# Altium PCB PMSM_Driver_V0.16.PcbDoc (part 1 of 2) (continued)
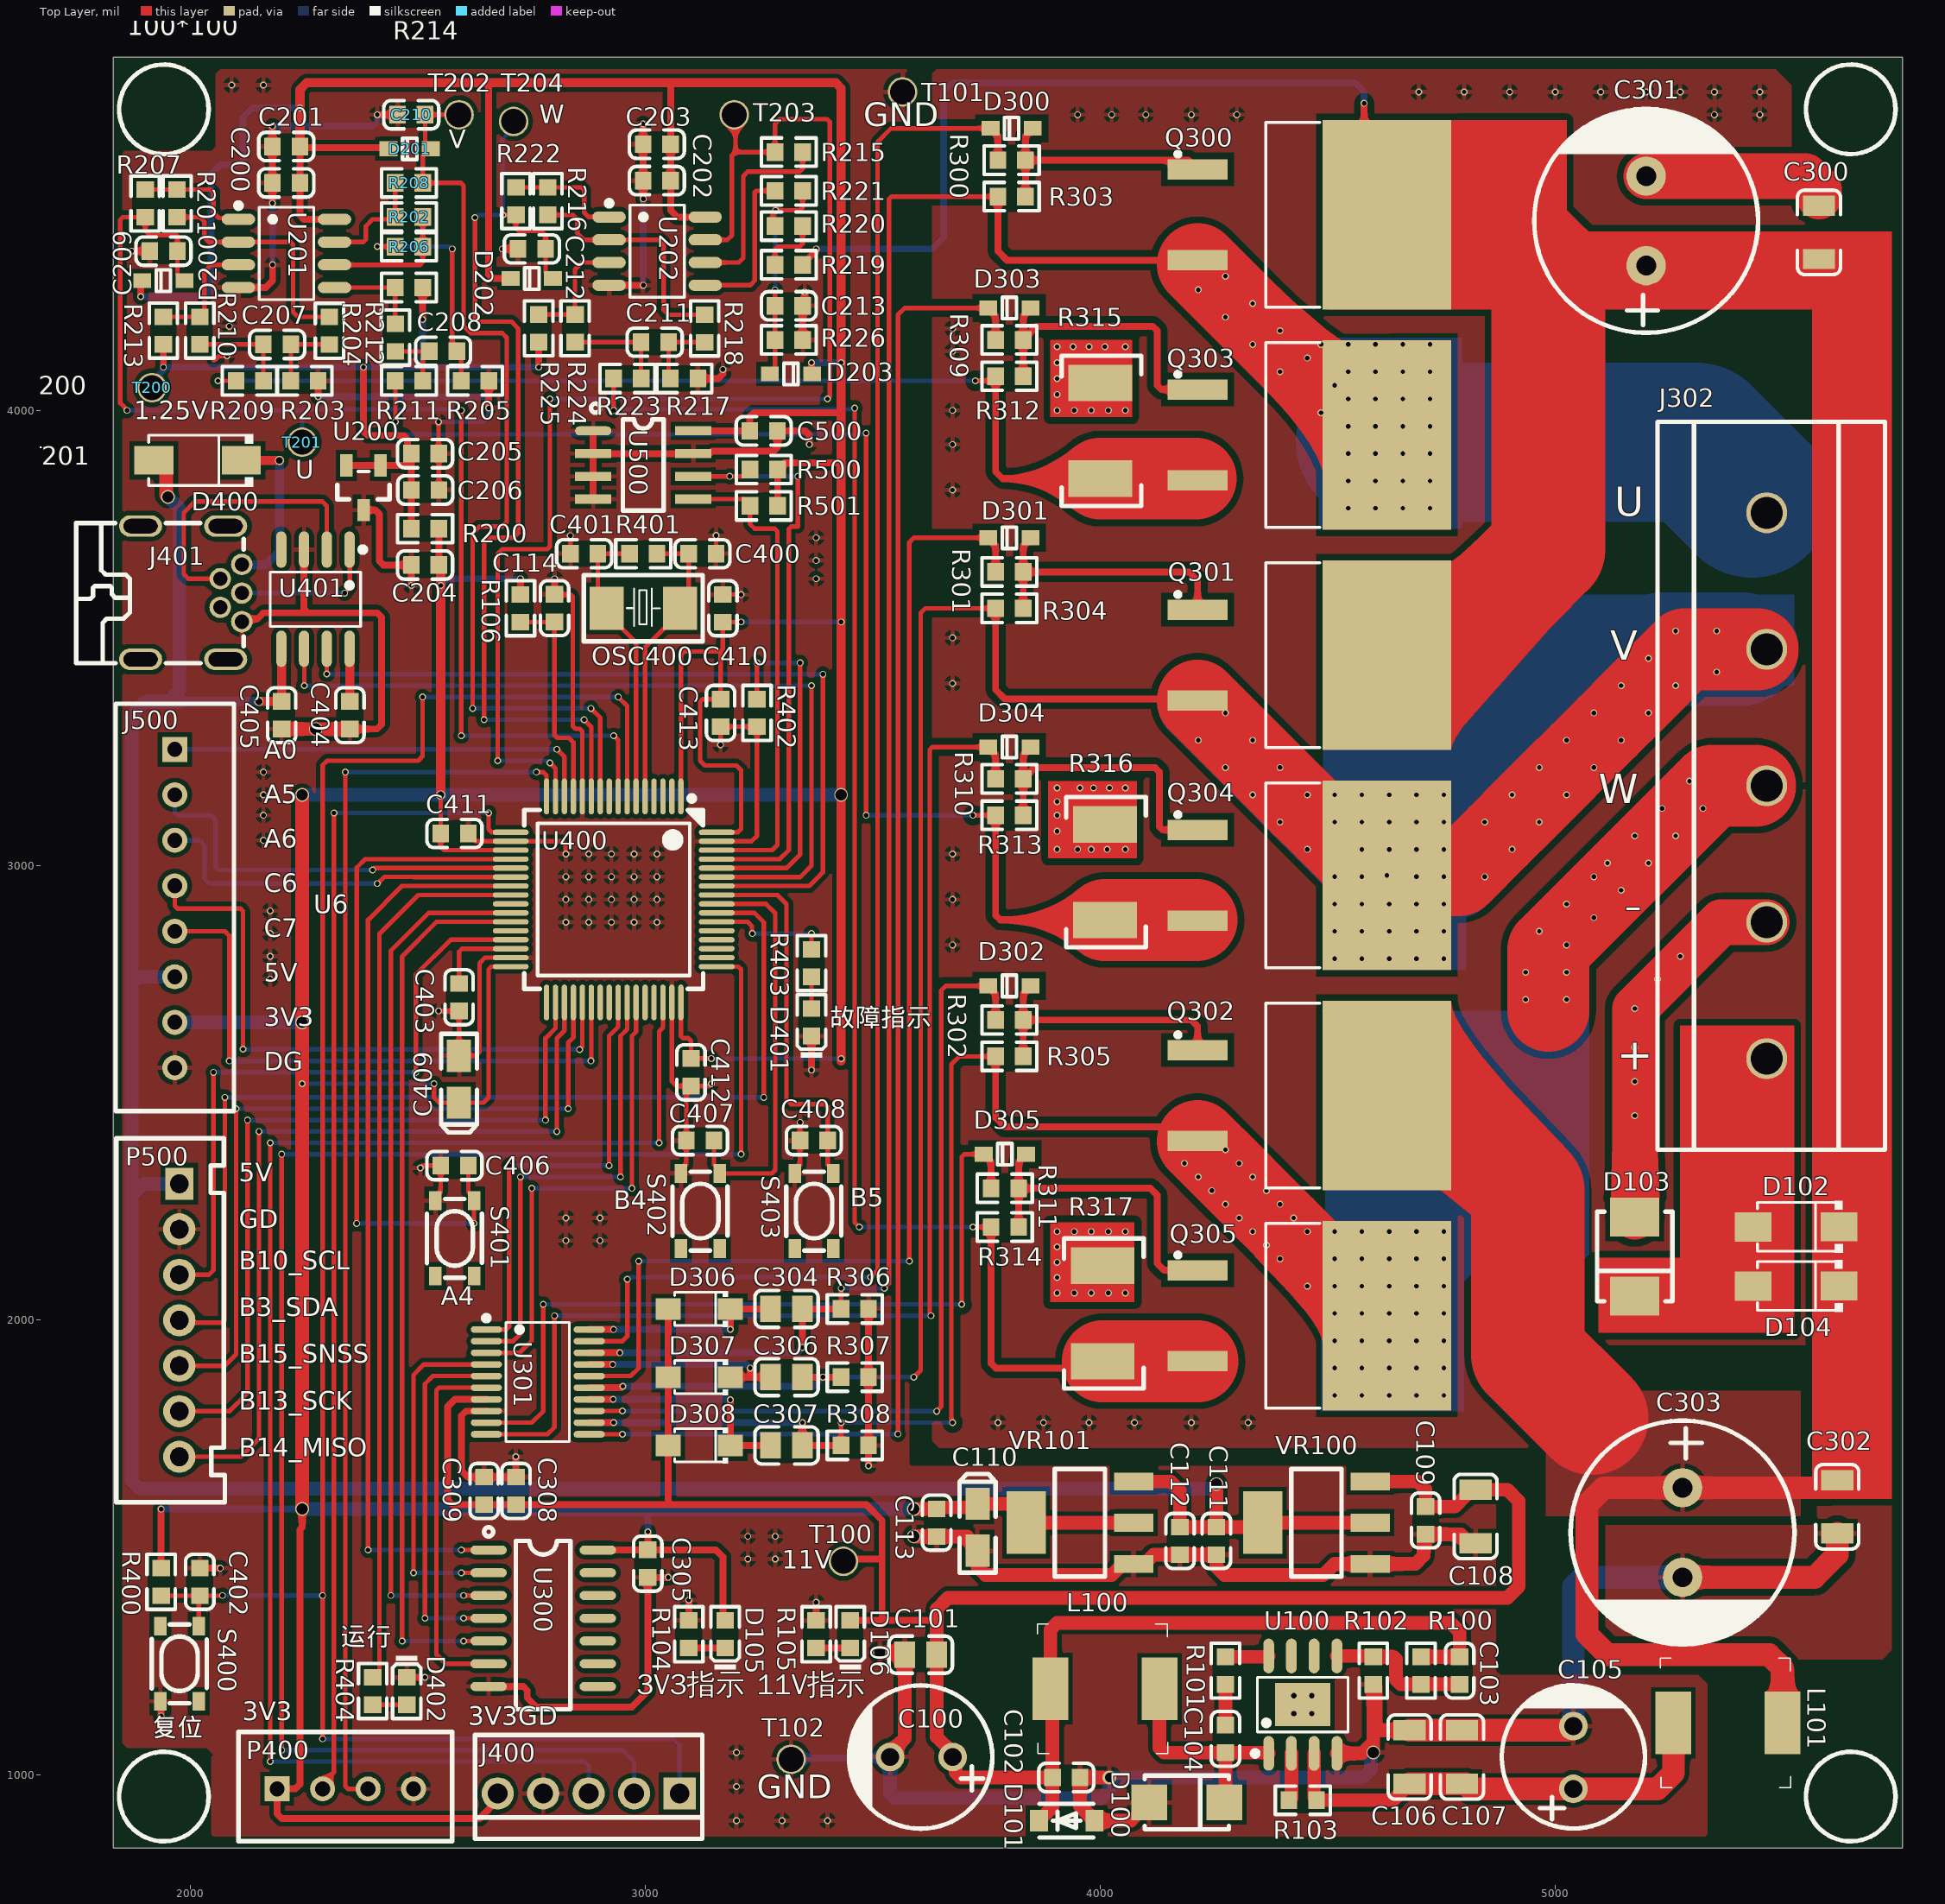
[diagram p0: Top Layer view]
## Components (designator, comment, footprint, x,y, rotation, side; value= is the part's Value field where it differs from the comment) (continued)
R207 "100Ω (1000) ±1%" LC-0603_R 1900,4455 r270 top
R208 "100Ω (1000) ±1%" LC-0603_R 2480,4500 r0 top
R209 "1KΩ (1001) ±1%" LC-0603_R 2130,4065 r0 top
R210 "1KΩ (1001) ±1%" LC-0603_R 2020,4175.31 r270 top
R211 "1KΩ (1001) ±1%" LC-0603_R 2480,4065 r0 top
R212 "1KΩ (1001) ±1%" LC-0603_R 2450,4160 r270 top
R213 "12KΩ (1202) ±1%" LC-0603_R 1940,4175.31 r90 top
R214 "12KΩ (1202) ±1%" LC-0603_R 2480,4270 r180 top
R215 "1KΩ (1001) ±1%" LC-0603_R 3315,4567.66 r180 top
R216 "12KΩ (1202) ±1%" LC-0603_R 2785,4460 r270 top
R217 "1KΩ (1001) ±1%" LC-0603_R 3085,4070 r180 top
R218 "1KΩ (1001) ±1%" LC-0603_R 3130,4180 r270 top
R219 "12KΩ (1202) ±1%" LC-0603_R 3315,4320 r180 top
R220 "12KΩ (1202) ±1%" LC-0603_R 3315,4405 r180 top
R221 "1KΩ (1001) ±1%" LC-0603_R 3315,4482.66 r0 top
R222 "100Ω (1000) ±1%" LC-0603_R 2715,4460 r270 top
R223 "1KΩ (1001) ±1%" LC-0603_R 2960,4070 r0 top
R224 "1KΩ (1001) ±1%" LC-0603_R 2845,4180.31 r270 top
R225 "12KΩ (1202) ±1%" LC-0603_R 2765,4180.31 r90 top
R226 "1KΩ (1001) ±1%" LC-0603_R 3315,4155 r180 top
R300 "22Ω (22R0) ±1%" LC-0603_R 3805,4550 r0 top
R301 "22Ω (22R0) ±1%" LC-0603_R 3800,3645 r0 top
R302 "22Ω (22R0) ±1%" LC-0603_R 3800,2660 r0 top
R303 "51KΩ (5102) ±1%" LC-0603_R 3805,4470 r0 top
R304 "51KΩ (5102) ±1%" LC-0603_R 3800,3565 r0 top
R305 "51KΩ (5102) ±1%" LC-0603_R 3800,2580 r0 top
R306 "20KΩ (2002) ±1%" LC-0603_R 3460,2025 r180 top
R307 "20KΩ (2002) ±1%" LC-0603_R 3460,1875 r180 top
R308 "20KΩ (2002) ±1%" LC-0603_R 3460,1725 r180 top
R309 "22Ω (22R0) ±1%" LC-0603_R 3800,4155 r0 top
R310 "22Ω (22R0) ±1%" LC-0603_R 3800,3190 r0 top
R311 "22Ω (22R0) ±1%" LC-0603_R 3790,2290 r0 top
R312 "51KΩ (5102) ±1%" LC-0603_R 3800,4075 r0 top
R313 "51KΩ (5102) ±1%" LC-0603_R 3800,3110 r0 top
R314 "51KΩ (5102) ±1%" LC-0603_R 3790,2205 r0 top
R315 "R02  0.02Ohm 1% 2512" R2512 3960,3930 r270 top
R316 "R02  0.02Ohm 1% 2512" R2512 3970,2960 r270 top
R317 "R02  0.02Ohm 1% 2512" R2512 3965,1990 r270 top
R400 "10KΩ (1002) ±1%" LC-0603_R 1935,1425 r90 top
R401 "1MΩ (1004) ±1%" LC-0603_R 2995,3685 r180 top
R402 "10KΩ (1002) ±1%" LC-0603_R 3245,3335 r270 top
R403 "10KΩ (1002) ±1%" LC-0603_R 3365,2785 r270 top
R404 "10KΩ (1002) ±1%" LC-0603_R 2400,1185 r270 top
R500 "10KΩ (1002) ±1%" LC-0603_R 3260,3870 r0 top
R501 "10KΩ (1002) ±1%" LC-0603_R 3260,3790 r0 top
S400 "KEY" KEY_WHITE 1975,1245 r270 top
S401 "KEY" KEY_WHITE 2580,2180 r270 top
S402 "KEY" KEY_WHITE 3120,2240 r270 top
S403 "KEY" KEY_WHITE 3370,2240 r270 top
T100 "Test" Testpoint 3435,1470 r90 top
T101 "Test" Testpoint 3565,4700 r90 top
T102 "Test" Testpoint 3320,1035 r90 top
T200 "Test" Testpoint 1915,4050 r90 top
T201 "Test" Testpoint 2245,3930 r90 top
T202 "Test" Testpoint 2590,4650 r90 top
T203 "Test" Testpoint 3195,4650 r90 top
T204 "Test" Testpoint 2710,4635 r90 top
U100 "TX4139" ESOP8 4370,1047.89 r0 top
U200 "ME432AXG" LC-SOT-23(SOT-23-3) 2380,3830 r90 top
U201 "LMV358" TP2412-SR 2105,4420 r270 top
U202 "LMV358" TP2412-SR 2920,4425 r270 top
U300 "74HC74" SOIC-14 2655,1495 r0 top
U301 "EG2133" TSSOP20 2725.39,1912.36 r270 top
U400 "STM32F401RET6" STM32F401RET6 2925,2930 r180 top
U401 "CH340N" CH340N 2270,3585 r180 top
U500 "AT24C256" SOIC8 2890,3955 r0 top
VR100 "AMS1117-5.0" LC-SOT-223 4475,1555 r0 top
VR101 "AMS1117-3.3" LC-SOT-223 3955,1555 r0 top

## Footprints (in the part's own frame and the unit in brackets; to place one, negate y for a bottom-side part, rotate by r counter-clockwise, add the part's x,y. Pads: shape width x height; smd on the part's side, far side on the other; paste and mask are expansions set on the pad)
2.54_4P_PIN [mil]
  rect 55x55 hole 33: 1(0,0)
  round 55 hole 33: 2(100,0) 3(200,0) 4(300,0)
  silkscreen extent -85,-115 385,125
2.54_8P_PHI [mil]
  rect 55x55 hole 33: 1(0,0)
  round 55 hole 33: 2(100,0) 3(200,0) 4(300,0) 5(400,0) 6(500,0) 7(600,0) 8(700,0)
  silkscreen extent -100,-130 795,130
"7.62-5P 端子" [mil]
  round 90 hole 70: 1(0,0) 2(300,0) 3(600,0) 4(900,0) 5(1200,0)
  silkscreen extent -200,-240 1400,260
8MHZ-5032 [mm]
  rect 1.9x2.4 smd: 1(-2.05,0) 2(2.05,0)
  silkscreen extent -3.32,-1.85 3.32,1.85
47UF/100V [mm]
  round 1.6 hole 1: 1(-1.788,-0.001) 2(1.712,-0.001)
  silkscreen extent -4,-4 4,4
220UF/100V [mm] "13*21"
  round 2.2 hole 1.1: 1(0,0) 2(5,0)
  silkscreen extent -3.75,-6.25 8.75,6.25
0650_47uH [mm]
  rect 2x3.5 smd: 1(-3.302,0) 2(2.794,0)
  silkscreen extent -3.76,-3.62 3.52,3.62
CH340N [mil]
  oval 22.6x80.14 smd: 1(-79.2,-108.97) 2(-29.2,-108.97) 3(20.8,-108.97) 4(70.8,-108.97) 5(70.8,108.97) 6(20.8,108.97) 7(-29.2,108.97) 8(-79.2,108.97)
  silkscreen extent -114,-115 95,60
DSK110 [mm] "SOD-123"
  rect 1.4x1.2 smd: 1(0,0) 2(3.47,0)
  silkscreen extent 0.13,-1 3.11,1
ESOP8 [mm]
  oval 0.602x1.941 smd: 1(0,0) 2(1.27,0) 3(2.54,0) 4(3.81,0) 5(3.81,5.441) 6(2.54,5.441) 7(1.27,5.441) 8(0,5.441)
  rect 3.098x2.41 smd: 9(1.905,2.72)
  silkscreen extent -0.9,-0.15 4.43,4.24
KEY_WHITE [mm]
  rect 1.05x0.7 smd: 1(-2.1,1.088) 2(2.1,1.088) 3(-2.1,-1.062) 4(2.1,-1.062)
  silkscreen extent -2.2,-1.54 2.2,1.54
KF2510-5A [mm]
  round 1.8 hole 1.1: 1(4.953,0.36) 2(2.413,0.36) 3(-0.127,0.36) 4(-2.667,0.36)
  rect 1.8x1.8 hole 1.1: 5(-5.207,0.36)
  silkscreen extent -6.48,-2.9 6.22,2.9
LC-0603_C [mm]
  rect 0.93x0.98 smd: 1(-0.77,0) 2(0.77,0)
  silkscreen extent -1.53,-0.79 1.54,0.79, body extent -0.8,-0.4 0.8,0.4, height 0.3
LC-0603_LED_S1 [mm]
  rect 0.93x0.98 smd: A(0.77,0) K(-0.77,0)
  silkscreen extent -1.98,-0.79 1.54,0.79, body extent -0.8,-0.4 0.8,0.4, height 0.6
LC-0603_R [mm]
  rect 0.93x0.98 smd: 1(-0.77,0) 2(0.77,0)
  silkscreen extent -1.53,-0.79 1.54,0.79, body extent -0.85,-0.4 0.85,0.4, height 0.56
LC-0805_C [mm]
  rect 1.16x1.47 smd: 1(-0.89,0) 2(0.89,0)
  silkscreen extent -1.77,-1.04 1.77,1.04, body extent -1,-0.62 1,0.63, height 0.77
LC-1206_C [mm]
  rect 1.13x1.8 smd: 1(-1.49,0) 2(1.49,0)
  silkscreen extent -2.36,-1.2 2.35,1.2, body extent -1.6,-0.81 1.6,0.79, height 1
LC-CASE-A_3216 [mm]
  rect 1.8x1.35 smd: 1(1.31,0) 2(-1.31,0)
  silkscreen extent -2.54,-1 2.97,1, body extent -1.7,-0.84 1.7,0.84, height 1.71
LC-SMA(DO-214AC)_S1 [mm]
  rect 2x2 smd: 1(2.1,0) 2(-2.1,0)
  silkscreen extent -2.35,-1.5 2.35,1.5
LC-SMB(DO-214AA)_S1 [mil]
  rect 85x107.99 smd: 1(87.01,0) 2(-87.01,0)
  silkscreen extent -98,-83 98,83
LC-SOD-323 [mm]
  rect 1x0.83 smd: 1(1.18,0) 2(-1.18,0)
  silkscreen extent -0.4,-0.6 0.4,0.6, body extent -1.35,-0.62 1.35,0.63, height 1.1
LC-SOT-23(SOT-23-3) [mm]
  rect 1.25x0.7 smd: 1(1.25,-0.95) 2(1.25,0.95) 3(-1.25,0)
  silkscreen extent -0.65,-1.46 0.9,1.46, body extent -1.5,-1.5 1.5,1.5, height 1.3
LC-SOT-223 [mm]
  rect 2.2x1 smd: 1(3,-2.3) 2(3,0) 3(3,2.3)
  rect 2.2x3.5 smd: 2(-3,0)
  silkscreen extent -1.4,-3 1.4,3, body extent -3.49,-3.24 3.49,3.24, height 1.64
R2512 [mil]
  rect 80x140 smd: 1(-130,40) 2(80,40)
  silkscreen extent -190,-45 140,130
"SMF12A - duplicate" [mm] "SOD123F"
  rect 1x1.2 smd: 1(0,0) 2(3.1,0)
  silkscreen extent 0.03,-0.93 3.04,0.95
SOIC8 [mil]
  oval 80x20 smd: 1(-5,0)
  rect 80x20 smd: 2(-5,-50) 3(-5,-100) 4(-5,-150) 5(215,-150) 6(215,-100) 7(215,-50) 8(215,0)
  silkscreen extent -10,-175 150,60
SOIC-14 [mil] "74HCXXX"
  oval 80x20 smd: 1(0,0) 2(0,-50) 3(0,-100) 4(0,-150) 5(0,-200) 6(0,-250) 7(0,-300) 8(240,-300) 9(240,-250) 10(240,-200) 11(240,-150) 12(240,-100) 13(240,-50) 14(240,0)
  silkscreen extent -10,-350 180,50
SS54 [mm]
  rect 2.185x1.593 smd: 1(-2.442,0) 2(2.442,0)
  silkscreen extent -3.11,-1.48 2.73,1.48
SS510 [mm]
  rect 2.046x1.62 smd: 1(0,0) 2(4.808,0.019)
  silkscreen extent -0.21,-1.43 4.57,1.45
STM32F401RET6 [mm]
  oval 0.3x2 smd: 1(-3.877,-5.623) 2(-3.377,-5.623) 3(-2.877,-5.623) 4(-2.377,-5.623) 5(-1.877,-5.623) 6(-1.377,-5.623) 7(-0.877,-5.623) 8(-0.377,-5.623) 9(0.123,-5.623) 10(0.623,-5.623) 11(1.123,-5.623) 12(1.623,-5.623) 13(2.123,-5.623) 14(2.623,-5.623) 15(3.123,-5.623) 16(3.623,-5.623) 33(3.623,5.877) 34(3.123,5.877) 35(2.623,5.877) 36(2.123,5.877) 37(1.623,5.877) 38(1.123,5.877) 39(0.623,5.877) 40(0.123,5.877) 41(-0.377,5.877) 42(-0.877,5.877) 43(-1.377,5.877) 44(-1.877,5.877) 45(-2.377,5.877) 46(-2.877,5.877) 47(-3.377,5.877) 48(-3.877,5.877)
  oval 2x0.3 smd: 17(5.623,-3.623) 18(5.623,-3.123) 19(5.623,-2.623) 20(5.623,-2.123) 21(5.623,-1.623) 22(5.623,-1.123) 23(5.623,-0.623) 24(5.623,-0.123) 25(5.623,0.377) 26(5.623,0.877) 27(5.623,1.377) 28(5.623,1.877) 29(5.623,2.377) 30(5.623,2.877) 31(5.623,3.377) 32(5.623,3.877) 49(-5.877,3.877) 50(-5.877,3.377) 51(-5.877,2.877) 52(-5.877,2.377) 53(-5.877,1.877) 54(-5.877,1.377) 55(-5.877,0.877) 56(-5.877,0.377) 57(-5.877,-0.123) 58(-5.877,-0.623) 59(-5.877,-1.123) 60(-5.877,-1.623) 61(-5.877,-2.123) 62(-5.877,-2.623) 63(-5.877,-3.123) 64(-5.877,-3.623)
  silkscreen extent -5.13,-5.66 4.87,5.13
Testpoint [mil]
  round 65 hole 55: 1(0,0)
TO-263-2 [mil]
  rect 132.23x44.65 smd: 1(-108.89,93) 3(-108.89,-107)
  rect 282.7x416 smd: 4(307.32,-7)
  silkscreen extent -157,-210 160,196
TP2412-SR [mm]
  oval 0.63x1.865 smd: 1(0,0) 2(1.27,0) 3(2.54,0) 4(3.81,0) 5(3.81,5.365) 6(2.54,5.365) 7(1.27,5.365) 8(0,5.365)
  silkscreen extent -0.92,-0.15 4.48,4.2
TSSOP20 [mil]
  oval 14.33x68.58 smd: 1(-67.36,-75.39) 2(-41.77,-75.39) 3(-16.18,-75.39) 4(9.41,-75.39) 5(35,-75.39) 6(60.59,-75.39) 7(86.18,-75.39) 8(111.77,-75.39) 9(137.36,-75.39) 10(162.95,-75.39) 11(162.95,150.67) 12(137.36,150.67) 13(111.77,150.67) 14(86.18,150.67) 15(60.59,150.67) 16(35,150.67) 17(9.41,150.67) 18(-16.18,150.67) 19(-41.77,150.67) 20(-67.36,150.67)
  silkscreen extent -98,-81 179,107
USB_MINI [mm]
  oval 1.2x2.4 hole 0.8 slot 1.9 at 90 deg: 0(22.291,-6.991) 0(22.291,-2.241) 0(29.731,-6.991) 0(29.731,-2.241)
  round 1.2 hole 0.8: 1(24.431,-1.339) 2(25.231,-2.543) 3(26.031,-1.339) 4(26.831,-2.543) 5(27.631,-1.339)
  silkscreen extent 22.12,-10.59 29.94,-1.24
XH2.54-7P [mm]
  rect 1.8x1.575 hole 1 slot 1.05 at 0 deg: 1(0,0)
  round 1.8 hole 1 slot 1.05 at 0 deg: 2(2.54,0) 3(5.08,0) 4(7.62,0) 5(10.16,0) 6(12.7,0) 7(15.24,0)
  silkscreen extent -2.54,-3.52 17.78,2.54

## Part data
C100 C105 C301 C303: library part CapSMT220u_16V, =220uF/16V
C101: library part "0805 22uF (226) 20% 25V", "贴片电容", Package=0805, SuppliersPartNumber=C45783, ComponentLink1Description=供应商链接, ComponentLink1URL=http://www.szlcsc.com/product/details_46786.html, Supplier=LC
C102 C104 C109 C111 C112 C113 C114 C201 C202 C206 C305 C309 C402 C404 C405 C406 C407 C408 C410 C411 C412 C413 C500: library part "0603 100nF (104) 10% 50V", "贴片电容", Package=0603, SuppliersPartNumber=C14663, ComponentLink1Description=供应商链接, ComponentLink1URL=http://www.szlcsc.com/product/details_15331.html, Supplier=LC
C103: library part "0603 47pF (470) 5% 50V", "贴片电容", Package=0603, SuppliersPartNumber=C1671, ComponentLink1Description=供应商链接, ComponentLink1URL=http://www.szlcsc.com/product/details_2023.html, Supplier=LC
C106 C300 C302: library part "1206 2.2uF (225) 10% 50V", "贴片电容", Package=1206, SuppliersPartNumber=C12656, ComponentLink1Description=供应商链接, ComponentLink1URL=http://www.szlcsc.com/product/details_13292.html, Supplier=LC
C107: library part "1206 100nF (104) 10% 50V", "贴片电容", Package=1206, SuppliersPartNumber=C24497, ComponentLink1Description=供应商链接, ComponentLink1URL=http://www.szlcsc.com/product/details_25237.html, Supplier=LC
C108: library part "1206 10uF (106) 10% 50V", "贴片电容", Package=1206, SuppliersPartNumber=C13585, ComponentLink1Description=供应商链接, ComponentLink1URL=http://www.szlcsc.com/product/details_14236.html, Supplier=LC
C110 C409: library part "3216 10uF (106) 10% 16V", "钽电容", Package=3216, SuppliersPartNumber=C7171, ComponentLink1Description=供应商链接, ComponentLink1URL=http://www.szlcsc.com/product/details_7643.html, Supplier=LC
C200 C203 C204 C205: library part "0603 10uF (106) 10% 10V", "贴片电容", Package=0603, SuppliersPartNumber=C19702, ComponentLink1Description=供应商链接, ComponentLink1URL=http://www.szlcsc.com/product/details_20411.html, Supplier=LC
C207 C208 C211: library part "0603 100pF (101) 5% 50V", "贴片电容", Package=0603, SuppliersPartNumber=C14858, ComponentLink1Description=供应商链接, ComponentLink1URL=http://www.szlcsc.com/product/details_15530.html, Supplier=LC
C209 C210 C212: library part "0603 1nF (102) 10% 50V", "贴片电容", Package=0603, SuppliersPartNumber=C1588, ComponentLink1Description=供应商链接, ComponentLink1URL=http://www.szlcsc.com/product/details_1940.html, Supplier=LC
C213 C403: library part "0603 2.2uF (225) 10% 16V", "贴片电容", Package=0603, SuppliersPartNumber=C23630, ComponentLink1Description=供应商链接, ComponentLink1URL=http://www.szlcsc.com/product/details_24366.html, Supplier=LC
C304 C306 C307: library part "0805 4.7uF (475) 10% 25V", "贴片电容", Package=0805, SuppliersPartNumber=C1779, ComponentLink1Description=供应商链接, ComponentLink1URL=http://www.szlcsc.com/product/details_2131.html, Supplier=LC
C308: library part "0603 4.7uF (475) 10% 16V", "贴片电容", Package=0603, SuppliersPartNumber=C19666, ComponentLink1Description=供应商链接, ComponentLink1URL=http://www.szlcsc.com/product/details_20375.html, Supplier=LC
C400 C401: library part "0603 22pF (220) 5% 50V", "贴片电容", Package=0603, SuppliersPartNumber=C1653, ComponentLink1Description=供应商链接, ComponentLink1URL=http://www.szlcsc.com/product/details_2005.html, Supplier=LC
D100 D306 D307 D308 D400: library part "SMA(DO-214AC) SS54", "二极管", Package=SMA(DO-214AC), SuppliersPartNumber=C22452, ComponentLink1Description=供应商链接, ComponentLink1URL=http://www.szlcsc.com/product/details_23178.html, Supplier=LC
D103: library part "SMB/DO-214AA P6SMB6.8CA", "TVS", Package=SMB/DO-214AA, SuppliersPartNumber=C78395, ComponentLink1Description=供应商链接, ComponentLink1URL=http://www.szlcsc.com/product/details_79530.html, Supplier=LC
D105 D106 D402: library part "0603 绿灯", "发光二极管", Package=0603, SuppliersPartNumber=C72043, ComponentLink1Description=供应商链接, ComponentLink1URL=http://www.szlcsc.com/product/details_73152.html, Supplier=LC
D200 D201 D202 D203 D300 D301 D302 D303 D304 D305: library part "SOD-323 1N4148WS T4", "二极管", Package=SOD-323, SuppliersPartNumber=C2128, ComponentLink1Description=供应商链接, ComponentLink1URL=http://www.szlcsc.com/product/details_2485.html, Supplier=LC
D401: library part "0603 红灯", "发光二极管", Package=0603, SuppliersPartNumber=C2286, ComponentLink1Description=供应商链接, ComponentLink1URL=http://www.szlcsc.com/product/details_2659.html, Supplier=LC
L100 L101: library part Inductor
P400: "Header, 4-Pin", LatestRevisionDate=17-Jul-2002, LatestRevisionNote="Re-released for DXP Platform.", Publisher="Altium Limited"
P500: "Header, 7-Pin", LatestRevisionDate=17-Jul-2002, LatestRevisionNote="Re-released for DXP Platform.", Publisher="Altium Limited"
R100: library part "0603 330KΩ (3303) 1%", "贴片电阻", Package=0603, SuppliersPartNumber=C23137, ComponentLink1Description=供应商链接, ComponentLink1URL=http://www.szlcsc.com/product/details_23864.html, Supplier=LC
R101 R300 R301 R302 R309 R310 R311: library part "0603 22Ω (22R0) 1%", "贴片电阻", Package=0603, SuppliersPartNumber=C23345, ComponentLink1Description=供应商链接, ComponentLink1URL=http://www.szlcsc.com/product/details_24078.html, Supplier=LC
R102: library part "0603 15KΩ (1502) 1%", "贴片电阻", Package=0603, SuppliersPartNumber=C22809, ComponentLink1Description=供应商链接, ComponentLink1URL=http://www.szlcsc.com/product/details_23536.html, Supplier=LC
R103: library part "0603 100KΩ (1003) 1%", "贴片电阻", Package=0603, SuppliersPartNumber=C25803, ComponentLink1Description=供应商链接, ComponentLink1URL=http://www.szlcsc.com/product/details_26546.html, Supplier=LC
R104 R105 R400 R402 R403 R404 R500 R501: library part "0603 10KΩ (1002) 1%", "贴片电阻", Package=0603, SuppliersPartNumber=C25804, ComponentLink1Description=供应商链接, ComponentLink1URL=http://www.szlcsc.com/product/details_26547.html, Supplier=LC
R106: library part "0603 0Ω (0R0) 1%", "贴片电阻", Package=0603, SuppliersPartNumber=C21189, ComponentLink1Description=供应商链接, ComponentLink1URL=http://www.szlcsc.com/product/details_21903.html, Supplier=LC
R200: library part "0603 220Ω (2200) 1%", "贴片电阻", Package=0603, SuppliersPartNumber=C22962, ComponentLink1Description=供应商链接, ComponentLink1URL=http://www.szlcsc.com/product/details_23689.html, Supplier=LC
R201 R202 R213 R214 R216 R219 R220 R225: library part "0603 12KΩ (1202) 1%", "贴片电阻", Package=0603, SuppliersPartNumber=C22790, ComponentLink1Description=供应商链接, ComponentLink1URL=http://www.szlcsc.com/product/details_23517.html, Supplier=LC
R203 R204 R205 R206 R209 R210 R211 R212 R215 R217 R218 R221 R223 R224 R226: library part "0603 1KΩ (1001) 1%", "贴片电阻", Package=0603, SuppliersPartNumber=C21190, ComponentLink1Description=供应商链接, ComponentLink1URL=http://www.szlcsc.com/product/details_21904.html, Supplier=LC
R207 R208 R222: library part "0603 100Ω (1000) 1%", "贴片电阻", Package=0603, SuppliersPartNumber=C22775, ComponentLink1Description=供应商链接, ComponentLink1URL=http://www.szlcsc.com/product/details_23502.html, Supplier=LC
R303 R304 R305 R312 R313 R314: library part "0603 51KΩ (5102) 1%", "贴片电阻", Package=0603, SuppliersPartNumber=C23196, ComponentLink1Description=供应商链接, ComponentLink1URL=http://www.szlcsc.com/product/details_23923.html, Supplier=LC
R306 R307 R308: library part "0603 20KΩ (2002) 1%", "贴片电阻", Package=0603, SuppliersPartNumber=C4184, ComponentLink1Description=供应商链接, ComponentLink1URL=http://www.szlcsc.com/product/details_4591.html, Supplier=LC
R315 R316 R317: library part Res10K
R401: library part "0603 1MΩ (1004) 1%", "贴片电阻", Package=0603, SuppliersPartNumber=C22935, ComponentLink1Description=供应商链接, ComponentLink1URL=http://www.szlcsc.com/product/details_23662.html, Supplier=LC
S400 S401 S402 S403: "白色方块"
T100 T101 T102 T200 T201 T202 T203 T204: library part TestPad
U200: library part "CJ431 0.5%431", "电压基准", Package=SOT-23, SuppliersPartNumber=C3113, ComponentLink1Description=供应商链接, ComponentLink1URL=http://www.szlcsc.com/product/details_3500.html, Supplier=LC
U201 U202: library part LM358DR2G, "通用运放", Package=SOIC-8, SuppliersPartNumber=C7950, ComponentLink1Description=供应商链接, ComponentLink1URL=http://www.szlcsc.com/product/details_8427.html, Supplier=LC
U300: library part 74HC14
VR100: library part "SOT-223 AMS1117-5.0", "低压差线性稳压(LDO)", Package=SOT-223, SuppliersPartNumber=C6187, ComponentLink1Description=供应商链接, ComponentLink1URL=http://www.szlcsc.com/product/details_6653.html, Supplier=LC
VR101: library part "SOT-223 AMS1117-3.3", "低压差线性稳压(LDO)", Package=SOT-223, SuppliersPartNumber=C6186, ComponentLink1Description=供应商链接, ComponentLink1URL=http://www.szlcsc.com/product/details_6652.html, Supplier=LC

## Via types
v1: diameter 15, hole 10, Top Layer to Bottom Layer, 465 vias
v2: diameter 30, hole 25, Top Layer to Bottom Layer, 11 vias
v3: diameter 24, hole 12, Top Layer to Bottom Layer, 4 vias
v4: diameter 20, hole 15, Top Layer to Bottom Layer, 3 vias
v5: diameter 30, hole 20, Top Layer to Bottom Layer, 1 vias

## Nets (pads, with @x,y where several pads share a name; then routed paths per layer and width w, separated by ;. In a path a pad name is that pad's centre, name@x,y a point inside that pad or via, vN(x,y) a via of type N, cw(c..) or ccw(c..) an arc to the next point about the centre after c; other vN are vias at no path point)
3V3DD: C110.1 C113.2 C200.2 C201.2 C202.2 C203.2 C204.2 C305.2 C409.1 C410.2 C411.2 C412.2 C413.2 C500.2 D105.A D200.2 D201.2 D202.2 D203.2 J400.1 J500.7 P400.1 R106.1 R200.1 R400.2 R500.2 R501.2 U201.8 U202.8 U300.14 U400.1 U400.19 U400.32 U400.48 U400.64 U500.8 VR101.2 | length 16876.5
  Top Layer w10: v1(2535,2520) 2535,2490 2546.57,2478.43 C409.1@2590,2478.43 2643.43,2478.43 2655,2490 2655,2771.16 2660.86,2777.01 2703.28,2777.01 U400.32@2703.63,2777.36 ; v4(2549.68,3154.68) C411.2@2549.68,3070 2549.68,3040.32 2556.73,3033.27 U400.19@2703.63,3033.27 ; U400.48@3077.64,2698.63 3077.64,2625 3082.64,2620 3094.14,2620 3100,2614.14 C412.2@3100,2575.32 v1(3144.68,2575.32) v1@3145,2575 ; U400.1@3077.64,3151.37 3077.64,3462.64 3085,3470 3164.14,3470 ; U400.64@3156.37,3072.64 3156.72,3072.99 3202.99,3072.99 3210,3080 3210,3210 3209.46,3210 3200,3219.46 3130.54,3219.46 3120,3230 3120,3359.46 3125.86,3365.32 C413.2@3165,3365.32 3165,3469.14 3164.14,3470 ; v1(3210,3535) 3209.68,3534.68 C410.2@3170,3534.68 3170,3475.86 3164.14,3470
  Top Layer w15: v1(1890,4250) 1890,4281.46 D200.2@1893.54,4285 ; R400.2@1935,1455.32 v1(1935,1585) ; v2(2245,1585) 2245,1545 2240,1540 2240,980 2230,970 P400.1@2190,970 2190,915 2200,905 2635,905 2675,945 J400.1@2675,960 ; U201.8@2316.22,4420 2248.79,4420 2240,4428.79 2240,4514.69 2240.32,4515 C201.2@2240.32,4580 2242.82,4577.5 2432.5,4577.5 D201.2@2435,4575 ; C204.2@2545.63,3660 R200.1@2545.63,3740 ; 2655,4720 2655,4298.79 2663.79,4290 D202.2@2703.54,4290 ; R106.1@2725,3595.31 v1(2725,3630) ; U300.14@2895,1495 2895.16,1495.16 3004.84,1495.16 C305.2@3005,1495.32 ; v1(3005,1535) C305.2@3005,1495.32 ; 3055,4720 3055.32,4719.69 C203.2@3055.32,4585 C202.2@3055.32,4505 3055.32,4439.68 3065.01,4429.99 3070,4425 U202.8@3131.22,4425 ; U500.8@3105,3955 C500.2@3229.37,3955 3229.37,3986.21 3238.16,3995 3425,3995 3430,4000 ; D105.A@3175,1340.32 3170,1345.32 3170,1480 3154.68,1495.32 C305.2@3005,1495.32 ; R501.2@3290.32,3790 R500.2@3290.32,3870 3290.32,3870.98 3301.12,3881.79 3302.11,3881.79 3305.32,3885 3430,3885 ; v1(3365,4105) 3365,4081.46 D203.2@3366.46,4080
  Top Layer w20: C201.2@2240.32,4580 2240.32,4665 2240.32,4705.31 2255,4720 2655,4720 3055,4720 3418.28,4720 3430,4708.28 v1(3430,4105) 3430,4000 3430,3885 v1(3430,3535) v2(3430,3155) v1(3430,2575) v1@3430,2570 ; C204.2@2545.63,3660 2549.68,3655.95 v4(2549.68,3154.68)
  Top Layer w30: v2(2245,1585) v1(2245,2520) v2(2245,3155) ; v2(3590,1585) 3590.32,1585.32 C113.2@3640,1585.32 3643.31,1588.62 3722.05,1588.62 C110.1@3730,1596.57 3808.58,1596.57 3836.89,1568.27 VR101.2@3836.89,1555 VR101.2@4073.11,1555
  Bottom Layer w10: v1(2245,2520) v1(2535,2520) ; v1(3144.68,2575.32) 3145,2575 v1(3430,2575) ; v1(3210,3535) v1(3430,3535)
  Bottom Layer w15: v1(1890,4250) 2030,4250 2045,4265 2045,4520 2065,4540 2106.21,4540 2115,4548.79 2115,4645 2135,4665 v1(2240,4665) ; v1(1935,1585) v2(2245,1585) ; v1(2550,3615) 2565,3630 v1(2725,3630) ; v1(3005,1535) 3005,1580 3010,1585 ; v1(3365,4105) v1(3430,4105)
  Bottom Layer w30: J500.7@1965,2655 v2(2245,2655) ; v2(2245,1585) 3010,1585 v2(3590,1585) ; v2(2245,3155) v2(3430,3155)
3V3DDA: C114.2 R106.2 U400.13 | length 491.3
  Top Layer w10: R106.2@2725,3534.68 R106.2@2740,3534.68 ; R106.2@2740.32,3535 R106.2@2740,3534.68 ; U400.13@2841.42,3151.37 2841.42,3270 2831.42,3280 2805.86,3280 2800,3285.86 C114.2@2800,3535 2799.68,3534.68 R106.2@2740,3534.68
5VDD: C111.2 C112.2 C405.2 D400.2 J500.6 P500.1 U401.5 VR100.2 VR101.3 | length 6033.2
  Top Layer w20: v4(2150,3360) 2150.32,3360.32 C405.2@2200,3360.32 2199.6,3360.71 2199.6,3475.63 U401.5@2199.2,3476.03
  Top Layer w30: D400.2@1918.84,3890 1930,3890 1946.36,3873.64 1946.36,3813.64 v2(1950,3810) ; VR101.3@4073.11,1645.55 4154.45,1645.55 4175,1625 C112.2@4175,1545.32 C111.2@4255,1545.32 ; v2(4255,1640) C111.2@4255,1545.32 ; VR100.2@4593.11,1555 VR100.2@4356.89,1555 4347.2,1545.32 C111.2@4255,1545.32
  Bottom Layer w20: 1980,3360 v4(2150,3360)
  Bottom Layer w30: v2(1950,3810) 1975,3785 1975,3385 1950,3360 ; J500.6@1965,2755 1887.57,2755 1870,2737.43 ; P500.1@1975,2300 1897.57,2300 1870,2272.43 ; 1980,3360 1950,3360 ; v2(4255,1640) 4245,1630 1887.57,1630 1870,1647.57 1870,2272.43 ; 1870,2272.43 1870,2737.43 ; 1870,2737.43 1870,3330 1900,3360 1950,3360
11VDD: C100.1 C101.2 C102.2 C103.2 C108.2 C109.2 C308.2 C309.2 D101.1 D106.A D306.2 D307.2 D308.2 L100.2 R100.2 T100.1 U301.7 VR100.3 | length 6172
  Top Layer w15: U301.7@2650,1826.18 2581.18,1826.18 2565,1810 2565,1605 2575,1595 2644.68,1595 C309.2@2645,1594.68 C308.2@2715,1594.68 3050,1594.68 ; D306.2@3050,2025 D307.2@3050,1875 D308.2@3050,1725 3050,1594.68 ; T100.1@3435,1470 3440,1475 3520,1475 ; D106.A@3450,1340.32 3520,1340.32 ; 3640.04,1350 3630.35,1340.32 3520,1340.32 ; 3050,1594.68 3485.32,1594.68 3520,1560 3520,1475 ; 3520,1340.32 3520,1475
  Top Layer w30: D101.1@3865,900 3894.68,929.68 C102.2@3894.68,995 ; VR100.3@4593.11,1645.55 4697.43,1645.55 4715,1627.98 C109.2@4715,1590.32 4779.29,1590.32 4804.57,1615.59 4804.57,1620.08 4811.81,1627.32 C108.2@4825,1627.32 4895.1,1627.32 4920,1602.43 4920,1415 4895,1390 3665,1390 3640.04,1365.04 3640.04,1350 C101.2@3640.04,1265 3640.04,1084.31 3675.4,1048.95 C100.1@3675.4,1040.03 3681.71,1033.71 3681.71,1005.86 3692.57,995 C102.2@3894.68,995 ; R100.2@4705,1260.32 C103.2@4790,1260.32 4790,1315 4770,1335 3905,1335 3890,1320 L100.2@3890,1190 3894.68,1185.32 C102.2@3894.68,995
75V-PVDC: D102.2 D103.2 D104.2 J302.5
DGND: C100.2 C101.1 C102.1 C105.2 C106.1 C107.1 C108.1 C109.1 C110.2 C111.1 C112.1 C113.1 C114.1 C200.1 C201.1 C202.1 C203.1 C204.1 C205.1 C206.1 C209.1 C210.1 C212.1 C213.1 C300.2 C301.2 C302.2 C303.2 C305.1 C308.1 C309.1 C400.1 C401.1 C402.1 C403.1 C404.2 C405.1 C406.1 C407.1 C408.1 C409.2 C410.1 C411.1 C412.1 C413.1 C500.1 D100.1 D101.2 D103.1 D401.K D402.K J302.4 J400.2 J401.5 J500.8 P400.4 P500.2 R102.1 R104.1 R105.1 R203.1 R205.1 R217.1 R226.1 R306.1 R307.1 R308.1 R315.1 R316.1 R317.1 R402.2 S400.4 S401.3 S402.3 S403.3 T101.1 T102.1 U100.4 U200.3 U201.4 U202.4 U300.7 U301.8 U400.12 U400.18 U400.31 U400.47 U400.63 U401.3 U500.1 U500.2 U500.3 U500.4 U500.7 VR100.1 VR101.1 | length 14688.1
  Top Layer w10: 2050.44,4109.56 2052.58,4111.69 2054.29,4111.69 2061.64,4119.04 2079.04,4119.04 v1(2080,4120) ; v1(2505,2335) 2510,2340 C406.1@2549.68,2340 2549.68,2281.07 2538.18,2269.57 S401.3@2538.18,2262.68 ; v1(2545,2680) 2545.32,2679.68 C403.1@2590,2679.68 C409.2@2590,2581.57 2626.57,2581.57 2635,2590 2635,2785 2647.05,2797.05 U400.31@2703.63,2797.05 ; v1(2545,3975) 2545,3905.63 C205.1@2545.63,3905 2545.63,3825.32 C206.1@2545.95,3825 ; C411.1@2610.32,3070 2610.32,3069.02 2626.38,3052.95 U400.18@2703.63,3052.95 2817.05,3052.95 2819.98,3050.02 2824.04,3045.96 2824.04,3025.96 v1(2825,3025) ; C114.1@2815,3595.63 2815.63,3595 2835.32,3595 2840,3590.32 2840,3306.1 2846.1,3300 2855.24,3300 2861.1,3294.14 U400.12@2861.1,3151.37 ; C401.1@2834.68,3685 v1(2834.68,3724.68) v1@2835,3725 ; U400.47@3057.95,2698.63 3057.95,2525 3068.26,2514.68 C412.1@3100,2514.68 ; S402.3@3078.18,2322.68 3078.18,2329.57 3089.68,2341.07 C407.1@3089.68,2395 3089.68,2504.37 C412.1@3100,2514.68 ; v1(3145,2520) 3139.68,2514.68 C412.1@3100,2514.68 ; v1(3155,3725) 3155.32,3724.68 C400.1@3155.32,3685 ; U400.63@3156.37,3052.95 3232.95,3052.95 3245,3065 R402.2@3245,3304.68 C413.1@3165,3304.68 v1(3165,3265) ; C410.1@3170,3595.32 3209.68,3595.32 v1(3210,3595) ; S403.3@3328.18,2322.68 3328.18,2329.57 3339.68,2341.07 C408.1@3339.68,2395 3339.68,2434.68 v1(3340,2435)
  Top Layer w15: v1(1870,4350) C209.1@1910,4350 ; S400.4@1933.18,1162.32 1935,1160.5 v1(1935,1130) ; C402.1@2020,1455.32 2064.68,1455.32 v1(2065,1455) ; U201.4@2105,4270 2165,4270 2180,4285 v1(2180,4320) ; J401.5@2112.39,3535.51 2118.56,3541.68 2146.68,3541.68 2160,3555 2257.99,3555 ; v1@2180,4455 v1(2179.68,4455.31) C200.1@2179.68,4500 C201.1@2179.68,4580 v1(2179.68,4624.69) v1@2180,4625 ; U401.3@2249.2,3693.97 2249.2,3563.79 2257.99,3555 ; v1@2280,4030 v1(2280.31,4030.31) R203.1@2280.31,4065 ; C404.2@2350,3299.68 2409.68,3299.68 2420,3310 2420,3545 2414.99,3550.01 2410,3555 2257.99,3555 ; U200.3@2380,3780.79 2406.21,3780.79 2415,3772 2415,3668.79 2423.79,3660 C204.1@2485,3660 v1(2485,3615) ; v1(2410,4650) C210.1@2454.68,4650 ; D402.K@2475,1215.31 2514.69,1215.31 v1(2515,1215) ; U301.8@2650,1800.59 2649.67,1800.26 2605.26,1800.26 2595,1790 2595,1670 2609.68,1655.32 C309.1@2645,1655.32 C308.1@2715,1655.32 v1(2715,1700) ; U300.7@2655,1195 2731.21,1195 2740,1186.21 2740,1170 2760,1150 2970,1150 3005,1185 C305.1@3005,1434.68 3049.68,1434.68 v1(3050,1435) ; v1@2655,4005 v1(2655.31,4005.31) R205.1@2655.31,4065 ; v1(2685,4355) C212.1@2719.68,4355 ; C114.1@2800,3595.63 v1(2800,3630) ; U500.4@2885,3805 U500.3@2885,3855 U500.2@2885,3905 ; U500.1@2885,3955 U500.2@2885,3905 ; U202.4@2920,4275 v1(2995,4275) ; v1(2995,4465) 2994.68,4465.31 C202.1@2994.68,4505 C203.1@2994.68,4585 v1(2994.68,4629.69) v1@2995,4630 ; R104.1@3095,1340.31 v1(3095,1385) ; R217.1@3115.31,4070 3160,4070 3170,4080 v1(3170,4090) ; R226.1@3345.31,4155 C213.1@3345.32,4230 3350,4234.69 v1(3350,4260) ; v1(3360,3925) 3360,3946.21 3351.21,3955 C500.1@3290,3955 3290,3918.79 3281.21,3910 3146.29,3910 3143.79,3907.5 3107.5,3907.5 U500.7@3105,3905 U500.2@2885,3905 ; v1(3365,2550) D401.K@3365,2624.69 ; R105.1@3375,1340.31 v1(3375,1380) ; v1@3490,1680 v1(3490.31,1680.31) R308.1@3490.31,1725 R307.1@3490.31,1875 R306.1@3490.31,2025
  Top Layer w30: C405.1@2200,3299.68 C404.2@2350,3299.68 ; v2(3515,1270) 3564.96,1270 C101.1@3569.96,1265 3569.96,1081.31 3537.6,1048.95 C100.2@3537.6,1040.03 ; v2(3590,1525) 3590.32,1524.68 C113.1@3640,1524.68 3707.6,1524.68 3730,1502.28 C110.2@3730,1493.43 3730,1457.57 3747.57,1440 4025.04,1440 4049.49,1464.45 VR101.1@4073.11,1464.45 4096.73,1464.45 4116.97,1484.68 C112.1@4175,1484.68 C111.1@4255,1484.68 4255,1457.57 4272.57,1440 4490,1440 4514.45,1464.45 VR100.1@4593.11,1464.45 4692.43,1464.45 4710.71,1482.73 4710.71,1526.38 4714.02,1529.68 C109.1@4715,1529.68 4792.13,1529.68 4811.81,1510 C108.1@4825,1510 ; v5(4020,995) C102.1@3955.32,995 3955.32,931.73 D101.2@3987.05,900 4067.32,900 D100.1@4107.32,940 ; U100.4@4520,1047.89 4575,1047.89 4600,1072.89 ; v2(4600,1050) 4600,1072.89 ; C106.1@4680,1098.66 4616.34,1098.66 4605,1110 4605,1194.69 R102.1@4600,1199.69 4600,1072.89
  Top Layer w50: C106.1@4680,1098.66 C107.1@4795,1098.66 5027.35,1098.66 5036.48,1107.8 C105.2@5040,1107.8 ; C303.2@5280,1435 5570,1435 5620,1485 C302.2@5620,1531.34
  Top Layer w100: D103.1@5175,2227.01 v1(5175,2685) 5365,2875 J302.4@5465,2875 ; C301.2@5200,4515 5550,4515 5580,4485 C300.2@5580,4470
  Bottom Layer w10: v1(2545,3975) 2645,3975 2654.36,3984.36 2654.36,4004.36 v1(2655.31,4005.31)
  Bottom Layer w15: v1(2179.68,4455.31) 2180,4455 v1(2180,4320) ; v1(2179.68,4624.69) 2399.68,4624.69 2410,4635 v1(2410,4650) ; v1(2280.31,4030.31) 2646.53,4030.31 2655.31,4021.53 v1(2655.31,4005.31) ; v1(2995,4275) v1(2995,4465) ; T102.1@3320,1035 3322.51,1037.51 3535.09,1037.51 C100.2@3537.6,1040.03
  Bottom Layer w30: C100.2@3537.6,1040.03 3537.6,959.97 3547.57,950 4002.43,950 4020,967.57 v5(4020,995) 4577.43,995 4595,1012.57 4595,1045 v2(4600,1050)
  Bottom Layer w50: C105.2@5040,1107.8 5040,1415 5060,1435 C303.2@5280,1435
  other v1: 3200,900 3300,900 3400,900 3200,975 3200,1050 3225,1475 3285,1475 3225,1525 3285,1525 3775,1775 3875,1775 3975,1775 4075,1775 4200,1775 4325,1775 3905,2060 3942.5,2060 3980,2060 4017.5,2060 4055,2060 3905,2093.75 3905,2127.5 3905,2161.25 2825,2175 2900,2175 3905,2195 3942.5,2195 3980,2195 4017.5,2195 4055,2195 2825,2225 2900,2225 5175,2450 5175,2525 5175,2600 2175,2750 5225,2750 2175,2800 5275,2800 3675,2825 2175,2850 2825,2875 2875,2875 2925,2875 2975,2875 3025,2875 2175,2900 2825,2925 2875,2925 2925,2925 2975,2925 3025,2925 3675,2925 2825,2975 2875,2975 2925,2975 2975,2975 3025,2975 2875,3025 2925,3025 2975,3025 3025,3025 3675,3025 3905,3035 3950,3035 3980,3035 4015,3035 4055,3035 2160,3055 3905,3075 2160,3110 3905,3110 3905,3140 2160,3155 3905,3170 3955,3170 3985,3170 4020,3170 4055,3170 2160,3205 3675,3400 3675,3500 3375,3630 3375,3670 3375,3720 3675,3825 3675,3925 3675,4000 3905,4000 3942.5,4000 3980,4000 4017.5,4000 4055,4000 3905,4035 3905,4070 3905,4105 3675,4130 3905,4140 3940,4140 3975,4140 4010,4140 4055,4140 3675,4180 2085,4185 3950,4650 4025,4650 4100,4650 4200,4650 4300,4650 5350,4650 5450,4650 4700,4700 4800,4700 4900,4700 5000,4700 5100,4700 5200,4700 5275,4700 5350,4700 5450,4700 2090,4715 2160,4715
  other v2: 2275,3299.68